# KiCad board corevus-g.kicad_pcb (continued)
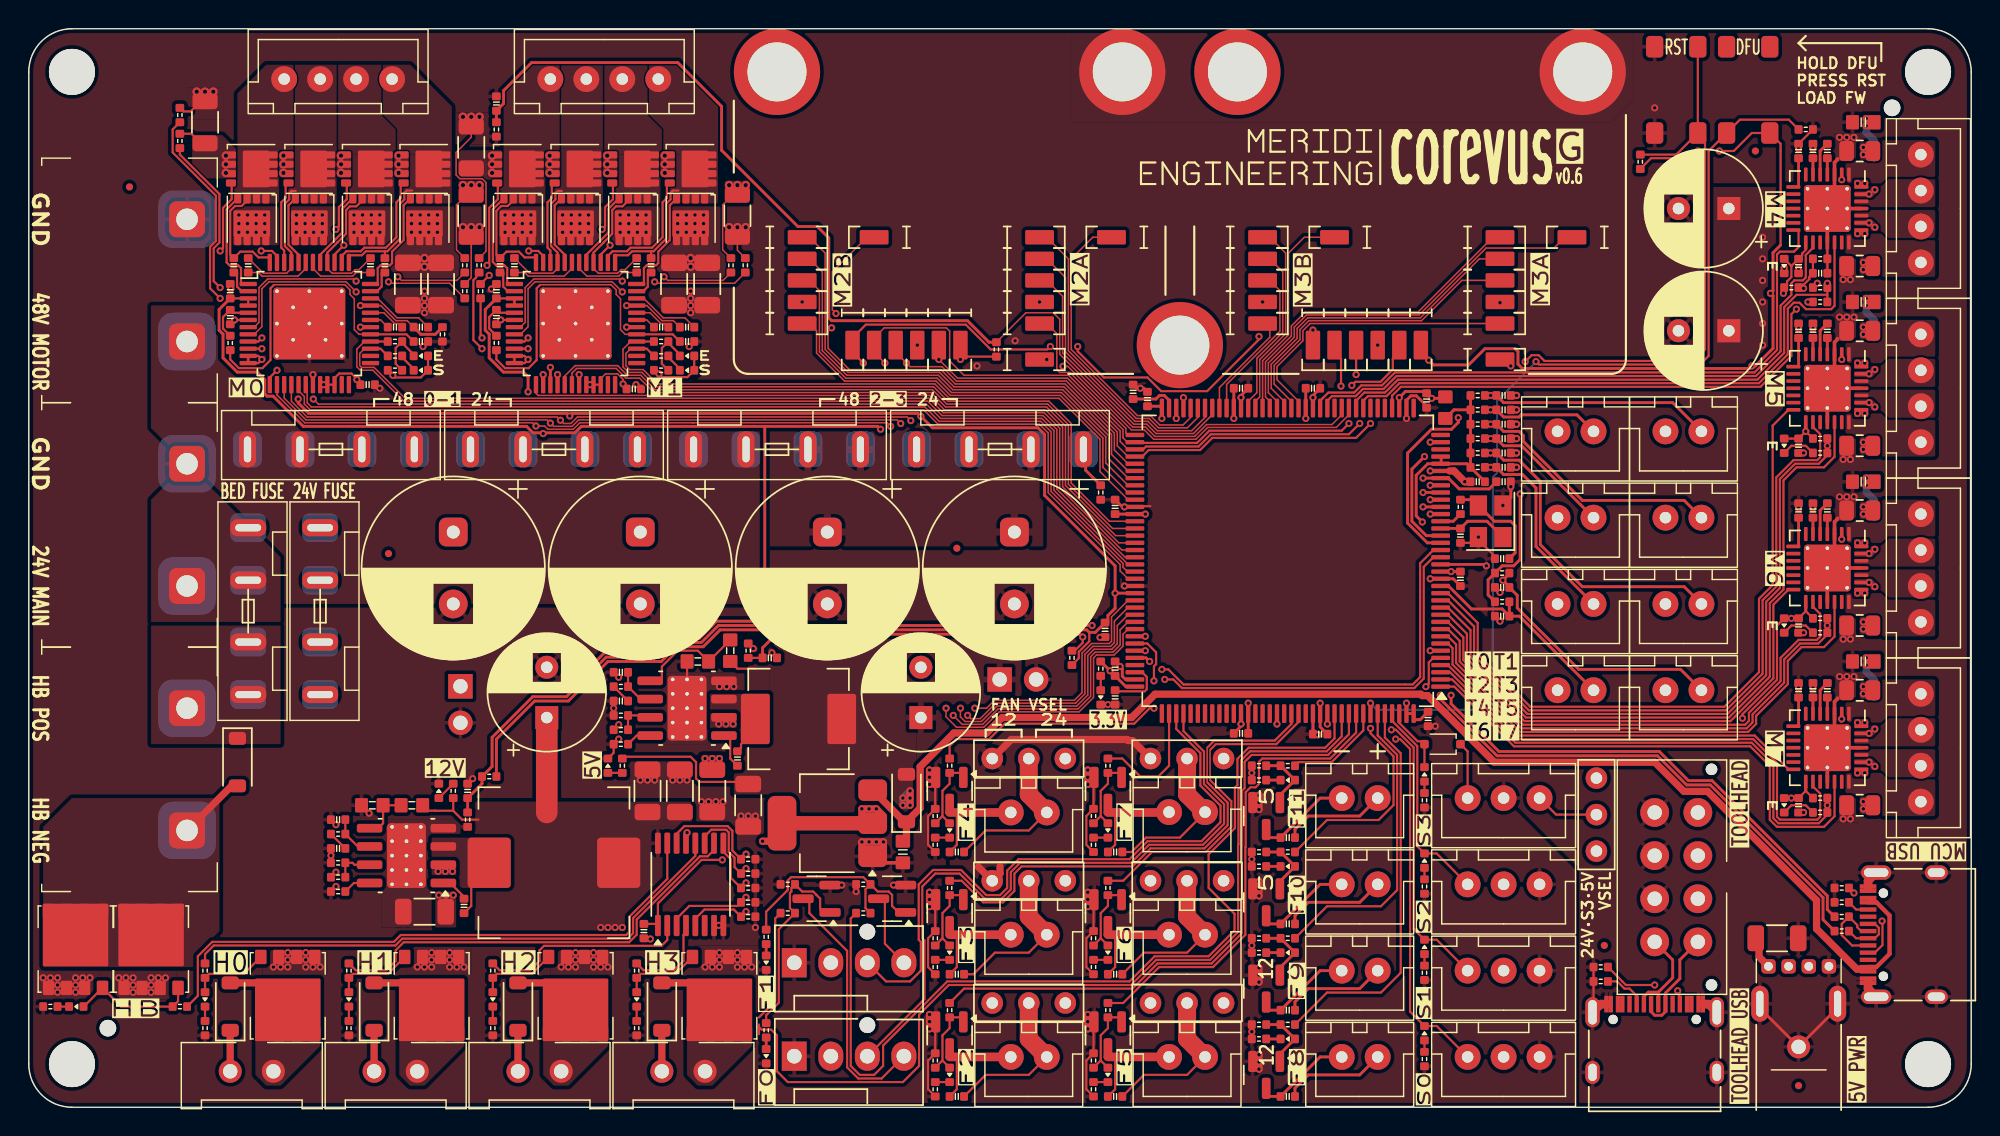
[diagram p0: board, top side]
## Routing (per net, layer and track width the routed paths; a pad name or vN(x,y) marks a point on that pad's centre or on a via; arc(x,y) is an arc through that point) (continued)
  Top w0.15: v1(21.35,61.05) 21.55,61.25 21.55,62.59 22.1,63.14 22.1,64.2 22.05,64.25 ; v1(21.9,59.95) 21.25,59.3 U12.39
  In2.Cu w0.15: v1(21.35,61.05) 21.35,60.5 v1(21.9,59.95)
/Motor 0 (TMC2160)/LA2: length 8.3
  Top w0.15: Q18.4 25.85,64.08 25.85,63.23 25.55,62.93 25.55,60.51 24.82,59.77 23.32,59.77 23.07,59.52 22.07,59.52 21.75,59.2
/Motor 0 (TMC2160)/LB1: length 9.6
  Top w0.15: U12.47 17.25,59.2 16.9,59.55 v1(16.15,59.55) ; 14.1,64.25 14.1,63.14 13.5,62.54 13.5,59.75 v1(13.3,59.55)
  In2.Cu w0.15: v1(13.3,59.55) v1(16.15,59.55)
/Motor 0 (TMC2160)/LB2: length 5.8
  Top w0.15: U12.46 17.75,59.58 17.55,59.78 17.55,62.93 17.85,63.23 17.85,64.08 Q16.4
/Motor 0 (TMC2160)/SRAH: length 19.3
  Top w0.1: R42.2 29.75,57.5 25.9,57.5 v1(25.65,57.75) ; v1(22.75,56.7) 22.05,57.4 16.68,57.4 16.2,56.92 16.2,54.28 15.67,53.75 U12.8
  In2.Cu w0.1: v1(22.75,56.7) 23,56.95 25.15,56.95 25.65,57.45 v1(25.65,57.75)
/Motor 0 (TMC2160)/SRAL: length 18.6
  Top w0.1: U12.7 15.67,54.25 16,54.58 16,57 16.6,57.6 22.6,57.6 v1(22.75,57.45) ; v1(25,57.4) 25.1,57.3 29.25,57.3 R46.2
  In2.Cu w0.1: v1(25,57.4) 24.8,57.2 23,57.2 v1(22.75,57.45)
/Motor 0 (TMC2160)/SRBH: length 16.9
  Top w0.15: R41.2 10.5,66.25 13.25,63.5 13.25,60.14 12.85,59.74 12.85,57.45 v1(13.3,57) ; v1(16.2,53.5) 15.95,53.25 U12.9
  In2.Cu w0.15: v1(16.2,53.5) 16.2,54.1 v1(13.3,57)
/Motor 0 (TMC2160)/SRBL: length 20
  Top w0.15: U12.10 v1(16.2,52.75) ; R45.2 10,68 10,66.4 13,63.4 13,60.24 12.6,59.84 12.6,56.95 v1(13.3,56.25)
  In2.Cu w0.15: v1(16.2,52.75) 15.75,53.2 15.75,54.2 13.7,56.25 v1(13.3,56.25)
/Motor 1 (TMC2160)/A1: length 9.7
  Top w0.1: C49.2 41.45,58.25 41.17,58.25 40.92,58 39.58,58 39.25,58.33 U11.40
  Top w0.15: U11.40 39.25,59.43 39.95,60.13 39.95,60.14 40.55,60.74 40.55,62.39 40.81,62.65 41.26,62.65 41.67,63.06 Q5.3
/Motor 1 (TMC2160)/A2: length 8.4
  Top w0.15: 43.25,59.52 43.42,59.52 44.3,60.4 44.3,62.83 44.6,63.13 44.6,63.58 44.77,63.75 45.15,63.75 ; 43.25,59.52 41.92,59.52 41.65,59.25 40.75,59.25 ; 43.25,59.52 C50.2
/Motor 1 (TMC2160)/B1: length 7.9
  Top w0.15: Q3.3 33.67,63.06 33.29,62.67 32.84,62.67 32.5,62.34 32.5,59.3 C47.2 33.2,59.5 34.06,59.5 34.46,59.1 35.25,59.1
/Motor 1 (TMC2160)/B2: length 9.6
  Top w0.1: U11.45 36.75,58.33 36.42,58 34.8,58 C48.2
  Top w0.15: U11.45 36.75,59.43 36.3,59.88 36.3,62.83 36.6,63.13 36.6,63.56 36.76,63.73 37.05,63.73
/Motor 1 (TMC2160)/HA1: length 5.4
  Top w0.15: U11.41 38.75,59.29 39.7,60.24 39.7,60.24 40.3,60.84 40.3,62.49 41.01,63.2 Q5.4
/Motor 1 (TMC2160)/HA2: length 7.3
  Top w0.15: 42.75,57.25 42.75,58.35 42.95,58.55 43.6,58.55 43.75,58.7 43.75,59.5 44.55,60.3 44.55,62.73 Q6.4
/Motor 1 (TMC2160)/HB1: length 7
  Top w0.15: 33.25,57.25 33.25,58.35 33.05,58.55 32.49,58.55 32.25,58.79 32.25,62.44 33.01,63.2 Q3.4
/Motor 1 (TMC2160)/HB2: length 4.9
  Top w0.15: U11.44 37.25,59.29 36.55,59.99 36.55,62.73 Q4.4
/Motor 1 (TMC2160)/LA1: length 6.3
  Top w0.15: v1(39.85,61.05) 40.05,61.25 40.05,62.59 40.6,63.14 40.6,64.2 40.55,64.25 ; U11.39 39.75,59.3 v1(40.4,59.95)
  In2.Cu w0.15: v1(40.4,59.95) 40.4,60.5 v1(39.85,61.05)
/Motor 1 (TMC2160)/LA2: length 8.3
  Top w0.15: Q10.4 44.35,64.08 44.35,63.23 44.05,62.93 44.05,60.51 43.32,59.77 41.82,59.77 41.57,59.52 40.57,59.52 40.25,59.2
/Motor 1 (TMC2160)/LB1: length 10.9
  Top w0.15: v1(34.75,59.55) 35.4,59.55 35.75,59.2 U11.47 ; v1(31.85,58.55) 32,58.7 32,62.54 32.6,63.14 32.6,64.25
  In2.Cu w0.15: v1(31.85,58.55) 32.85,59.55 v1(34.75,59.55)
/Motor 1 (TMC2160)/LB2: length 5.8
  Top w0.15: Q8.4 36.35,64.08 36.35,63.23 36.05,62.93 36.05,59.78 36.25,59.58 U11.46
/Motor 1 (TMC2160)/SRAH: length 19.3
  Top w0.1: R34.2 48.25,57.5 44.4,57.5 v1(44.15,57.75) ; U11.8 34.17,53.75 34.7,54.28 34.7,56.92 35.18,57.4 40.55,57.4 v1(41.25,56.7)
  In2.Cu w0.1: v1(44.15,57.75) 44.15,57.45 43.65,56.95 41.5,56.95 v1(41.25,56.7)
/Motor 1 (TMC2160)/SRAL: length 19.5
  Top w0.1: U11.7 34.17,54.25 34.5,54.58 34.5,57 35.1,57.6 41.1,57.6 v1(41.25,57.45) ; v1(43.5,57.4) 43.6,57.3 49.05,57.3 R38.2
  In2.Cu w0.1: v1(41.25,57.45) 41.5,57.2 43.3,57.2 v1(43.5,57.4)
/Motor 1 (TMC2160)/SRBH: length 7.2
  Top w0.15: U11.9 34.45,53.25 v1(34.7,53.5) ; v1(31.5,53.5) 31.4,53.6 R33.2
  In2.Cu w0.15: v1(34.7,53.5) 34.5,53.3 31.7,53.3 v1(31.5,53.5)
/Motor 1 (TMC2160)/SRBL: length 9.8
  Top w0.15: 31.1,57.95 31.1,57.71 30.9,57.51 30.9,53.35 v1(31.5,52.75) ; U11.10 v1(34.7,52.75)
  In2.Cu w0.15: v1(34.7,52.75) 34.5,52.95 31.7,52.95 v1(31.5,52.75)
/Motor 4 (TMC2209)/BRA:
  vias: v1(127.5,58.75) v1(127.5,58.25) v1(127.9,61.5) v1(128.3,61.2)
/Motor 4 (TMC2209)/BRB: length 0.5
  Top w0.2: U6.27 v1(127.9,63.5)
  vias: v1(127.5,66.75) v1(127.5,66.25) v1(128.3,63.8)
/Motor 5 (TMC2209)/BRA:
  vias: v1(127.5,46.25) v1(127.5,45.75) v1(127.9,49) v1(128.3,48.7)
/Motor 5 (TMC2209)/BRB: length 0.5
  Top w0.2: U7.27 v1(127.9,51)
  vias: v1(127.5,54.25) v1(127.5,53.75) v1(128.3,51.3)
/Motor 6 (TMC2209)/BRA:
  vias: v1(127.5,33.75) v1(127.5,33.25) v1(127.9,36.5) v1(128.3,36.2)
/Motor 6 (TMC2209)/BRB: length 0.5
  Top w0.2: U8.27 v1(127.9,38.5)
  vias: v1(127.5,41.75) v1(127.5,41.25) v1(128.3,38.8)
/Motor 7 (TMC2209)/BRA:
  vias: v1(127.5,21.25) v1(127.5,20.75) v1(127.9,24) v1(128.3,23.7)
/Motor 7 (TMC2209)/BRB: length 0.5
  Top w0.2: U9.27 v1(127.9,26)
  vias: v1(127.5,29.25) v1(127.5,28.75) v1(128.3,26.3)
/S0: length 34.3
  Top w0.15: J24.1 97.85,5.65 D18.1 96,6.65 96,24.91 95.31,25.6 v1(95,25.6) ; U1.125 v1(86.75,26.65)
  In2.Cu w0.15: v1(95,25.6) 90.6,25.6 89.55,26.65 v1(86.75,26.65)
/S1: length 25.3
  Top w0.15: J25.1 97.85,11.65 D25.1 96.25,12.4 96.25,25.02 95.02,26.25 v1(94.7,26.25) ; U1.132 v1(90.25,26.65)
  In2.Cu w0.15: v1(90.25,26.65) 91.05,25.85 94.3,25.85 v1(94.7,26.25)
/S2: length 14.5
  Top w0.15: U1.141 94.75,26.87 96.5,25.12 96.5,18.15 D26.1 97.85,17.65 J26.1
/S3: length 4.6
  Top w0.15: U1.142 95.25,26.72 96.52,25.45 96.8,25.45 D28.2 D27.1
/SPI2_MISO: length 95.2
  Top w0.1: U12.16 18.25,49.1 19.35,48 36.73,48 v1(36.95,47.77) 37.17,47.55 37.68,47.55 38.13,48 61.05,48 v1(61.3,47.75) ; T5.1 v1(63.25,52) 64.55,50.7 72.19,50.7 75.85,47.04 75.85,46.3 76.4,45.75 U1.75
  Top w0.15: v1(92.5,47.55) 91.75,46.8 82.15,46.8 81.3,45.95 77.65,45.95 77.45,45.75 U1.75 ; v1(91.95,50.2) 92.2,50.45 93.95,50.45 94.8,51.3 94.8,52.05 T21.1
  Top w0.2: v1(36.75,50.95) U11.16
  In2.Cu w0.15: v1(92.5,47.55) 91.95,48.1 v1(91.95,50.2)
  In2.Cu w0.2: v1(36.75,50.95) 36.75,47.98 v1(36.95,47.77)
  In2.Cu w0.25: v1(63.25,52) 61.3,50.05 v1(61.3,47.75)
/SPI2_MOSI: length 97.4
  Top w0.1: v1(60.6,47.55) 60.35,47.8 38.21,47.8 37.76,47.35 36.48,47.35 v1(36.25,47.58) 36.02,47.8 19.27,47.8 17.75,49.32 U12.15 ; U1.76 76.4,45.25 75.65,46 75.65,46.95 72.1,50.5 64.47,50.5 63.47,51.5 61.25,51.5 v1(61,51.75) T4.1
  Top w0.15: U1.76 77.38,45.25 77.83,45.7 81.41,45.7 82.26,46.55 92.25,46.55 v1(93.25,47.55) ; 92.1,50.85 92.15,50.85 v1(92.25,50.95) T20.1
  Top w0.2: v1(36.25,51.45) U11.15
  In2.Cu w0.15: v1(93.25,47.55) 92.55,48.25 92.55,50.65 v1(92.25,50.95)
  In2.Cu w0.2: v1(36.25,47.58) v1(36.25,51.45)
  In2.Cu w0.25: v1(61,51.75) 60.6,51.35 v1(60.6,47.55)
/SPI2_SCK: length 100.2
  Top w0.1: U12.14 17.25,49.53 19.18,47.6 35.02,47.6 v1(35.25,47.38) 35.85,47.38 36.07,47.15 37.85,47.15 38.3,47.6 46.15,47.6 ; v1(59.5,51.75) T2.1 58.75,53.5 59.45,54.2 63.78,54.2 64,53.98 64,51.9 65,50.9 72.27,50.9 76.05,47.12 76.05,46.55 76.35,46.25 U1.74 ; 46.15,47.6 46.2,47.6 ; 46.15,47.6 59.65,47.6 v1(59.9,47.35)
  Top w0.15: T18.1 91.2,52.05 v1(91.2,50.15) ; U1.74 76.92,46.2 81.2,46.2 82.05,47.05 91.25,47.05 v1(91.75,47.55)
  Top w0.2: v1(35.75,50.95) U11.14
  In2.Cu w0.15: v1(91.75,47.55) 90.8,48.5 90.8,49.75 v1(91.2,50.15)
  In2.Cu w0.2: v1(35.75,50.95) 35.25,50.45 v1(35.25,47.38)
  In2.Cu w0.25: v1(59.9,47.35) 59.9,51.35 v1(59.5,51.75)
/T0: length 21.5
  Top w0.2: U1.22 97.13,39.75 96.12,40.75 96.12,44.38 v1(97,45.25) ; R51.1 v1(101.6,48.5) C77.2 102.5,48 103.57,48 103.72,48.15 107.6,48.15 J11.2
  In2.Cu w0.2: v1(101.6,48.5) 101.02,48.5 97.77,45.25 v1(97,45.25)
/T1: length 22.4
  Top w0.2: R18.1 v1(101.6,49.5) C9.2 102.5,49 114.25,49 J10.2 ; U1.35 v1(97.4,46.25)
  In2.Cu w0.2: v1(97.4,46.25) 98.35,46.25 v1(101.6,49.5)
/T2: length 18.2
  Top w0.2: U1.28 v1(96.9,42.75) ; J9.2 103.75,46 102.5,46 C8.2 v1(101.6,46.5) R17.1
  In2.Cu w0.2: v1(96.9,42.75) 97.57,42.75 98.17,43.35 98.17,44.8 99.87,46.5 v1(101.6,46.5)
/T3: length 25.4
  Top w0.2: J12.2 115.05,42.2 107.97,42.2 103.87,46.3 103.87,46.7 103.57,47 102.5,47 C78.2 v1(101.6,47.5) R56.1 ; U1.29 v1(97.4,43.25)
  In2.Cu w0.2: v1(97.4,43.25) 97.88,43.73 97.88,44.93 100.45,47.5 v1(101.6,47.5)
/T4: length 21.3
  Top w0.2: U1.26 v1(96.9,41.75) ; R15.1 v1(101.6,44.5) C6.2 102.5,44 103.82,44 104.75,43.07 104.75,39 J8.2
  In2.Cu w0.2: v1(101.6,44.5) 99.7,44.5 98.78,43.57 98.78,42.95 97.57,41.75 v1(96.9,41.75)
/T5: length 29.1
  Top w0.2: R16.1 v1(101.6,45.5) C7.2 102.5,45 103.57,45 105.05,43.52 105.05,39.12 107.97,36.2 115.05,36.2 J7.2 ; U1.27 v1(97.4,42.25)
  In2.Cu w0.2: v1(97.4,42.25) 97.5,42.25 98.47,43.23 98.47,44.68 99.3,45.5 v1(101.6,45.5)
/T6: length 14.6
  Top w0.2: C72.2 103.6,34.15 J23.2 ; C72.2 R2.1 ; C72.2 102.4,34.65 100.27,34.65 98.67,36.25 U1.15
/T7: length 23
  Top w0.2: J39.2 114.8,30.45 107.72,30.45 103.45,34.72 103.45,35.6 C73.2 102.9,36.2 v1(102.45,36.65) 102.9,37.1 R12.1 ; U1.18 101.2,37.75 v1(101.3,37.65)
  In2.Cu w0.2: v1(101.3,37.65) 101.45,37.65 v1(102.45,36.65)
/TH_USB_D+: length 7.5
  Top w0.2: J13.A6 112.75,6.64 113,6.39 113.5,6.39 113.75,6.65 J13.B6 113.75,7.94 114.75,8.94 114.75,10.25 J28.5
/TH_USB_D-: length 6.9
  Top w0.2: 113.25,8 114.25,9 114.25,10.25 J28.1 ; 113.25,8 J13.A7 ; 113.25,8 112.56,8 112.25,7.69 J13.B7
/USB_D+: length 58.4
  Top w0.2: v1(77.9,31) 77.65,31.25 U1.104 ; v1(98.1,28.65) 98.1,28.39 102.05,24.44 113.2,24.44 115.22,22.41 116.86,22.41 124.7,14.58 124.7,13.05 R5.1
  In2.Cu w0.2: v1(98.1,28.65) 98.1,29.08 95.51,31.67 78.58,31.67 v1(77.9,31)
/USB_D-: length 57.7
  Top w0.2: U1.103 v1(77.6,31.75) ; v1(98.85,28.65) 98.85,28.06 102.17,24.74 113.32,24.74 115.35,22.71 116.99,22.71 125,14.7 125,13.75 R4.1
  In2.Cu w0.2: v1(98.85,28.65) 98.85,28.97 95.69,32.12 77.97,32.12 v1(77.6,31.75)
/USB_VBUS: length 92.4
  Top w0.3: J1.B9 128.41,9.75 129.32,10.67 129.32,13.33 128.41,14.25 J1.B4
  Top w0.5: C101.1 61,18.75 D29.1 ; D29.1 60.85,19.85 U5.3 ; D29.1 61.95,20.8 61.95,23.68 64.29,26.02 66.58,26.02 67.65,27.1 76.65,27.1 78.28,28.73 96.74,28.73 96.84,28.62 97.22,28.62 101.86,23.99 113.01,23.99 115.04,21.96 116.67,21.96 124.25,14.39 124.25,12.41 127.06,9.6 127.85,9.6
/~{Reset}: length 54.8
  Top w0.15: v1(104,51.85) 104.45,52.3 104.94,52.3 105.34,51.9 115.69,51.9 116.5,52.71 116.5,67.25 SW3.2 ; SW3.2 114.5,66.25 R19.2 ; SW3.2 SW3.2 ; 97.3,41.15 v1(97.4,41.25)
  Top w0.2: U1.25 v1(97.4,41.25)
  In2.Cu w0.15: 102.9,49.7 102.9,50.75 v1(104,51.85)
  In2.Cu w0.2: 102.9,49.7 102.9,44.7 102.22,44.02 99.65,44.02 99.1,43.47 99.1,42.85 97.5,41.25 v1(97.4,41.25)
VMB: length 11.1
  Top w0.1: U12.33 24.46,55.75 25.51,54.7 26.3,54.7 C54.2 ; U11.33 42.96,55.75 44.01,54.7 44.8,54.7 C39.2
  Top w0.15: U12.33 v1(23.05,55.75) ; U11.33 v1(41.55,55.75)
  Top w0.2: C54.2 27.25,53.75 28.25,53.75 R9.1
  vias: v1(14.6,62.05) v1(14.6,61.45) v1(14.6,60.85) v1(15.2,62.05) v1(15.2,61.45) v1(15.2,60.85) v1(15.8,62.05) v1(15.8,61.45) v1(15.8,60.85) v1(16.4,62.05) v1(16.4,61.45) v1(16.4,60.85) v1(18.6,62.05) v1(18.6,61.45) v1(18.6,60.85) v1(19.2,62.05) v1(19.2,61.45) v1(19.2,60.85) v1(19.8,62.05) v1(19.8,61.45) v1(19.8,60.85) v1(20.4,62.05) v1(20.4,61.45) v1(20.4,60.85) v1(22.6,62.05) v1(22.6,61.45) v1(22.6,60.85) v1(23.2,62.05) v1(23.2,61.45) v1(23.2,60.85) v1(23.8,62.05) v1(23.8,61.45) v1(23.8,60.85) v1(24.4,62.05) v1(24.4,61.45) v1(24.4,60.85) v1(26.6,62.05) v1(26.6,61.45) v1(26.6,60.85) v1(27.2,62.05) v1(27.2,61.45) v1(27.2,60.85) v1(27.8,62.05) v1(27.8,61.45) v1(27.8,60.85) v1(28.4,62.05) v1(28.4,61.45) v1(28.4,60.85) v1(33.1,62.05) v1(33.1,61.45) v1(33.1,60.85) v1(33.7,62.05) v1(33.7,61.45) v1(33.7,60.85) v1(34.3,62.05) v1(34.3,61.45) v1(34.3,60.85) v1(34.9,62.05) v1(34.9,61.45) v1(34.9,60.85) v1(37.1,62.05) v1(37.1,61.45) v1(37.1,60.85) v1(37.7,62.05) v1(37.7,61.45) v1(37.7,60.85) v1(38.3,62.05) v1(38.3,61.45) v1(38.3,60.85) v1(38.9,62.05) v1(38.9,61.45) v1(38.9,60.85) v1(41.1,62.05) v1(41.1,61.45) v1(41.1,60.85) v1(41.7,62.05) v1(41.7,61.45) v1(41.7,60.85) v1(42.3,62.05) v1(42.3,61.45) v1(42.3,60.85) v1(42.9,62.05) v1(42.9,61.45) v1(42.9,60.85) v1(45.1,62.05) v1(45.1,61.45) v1(45.1,60.85) v1(45.7,62.05) v1(45.7,61.45) v1(45.7,60.85) v1(46.3,62.05) v1(46.3,61.45) v1(46.3,60.85) v1(46.9,62.05) v1(46.9,61.45) v1(46.9,60.85) v2(27.5,59.05) v2(27.5,58.45) v2(46,59.05) v2(46,58.45)
VMC: length 3
  Top w0.2: F2.2 73.3,45.1 73.45,44.95 73.45,44.3 R8.1
Net-(C2-Pad2): length 7
  Top w0.2: R3.1 100.35,42.25 Y1.3 101.85,40.75 102.99,40.75 103.3,40.44 103.3,38.55 C2.2
Net-(C97-Pad1): length 1.4
  Top w0.15: R104.2 C97.1
Net-(C99-Pad1): length 1.4
  Top w0.15: R112.2 C99.1
Net-(D1-A): length 5.4
  Top w0.15: 64.75,23.25 R59.2 64,22.5 63.5,22 63.5,20.25 ; R79.1 63.5,20.25 ; 63.5,20.25 D1.2
Net-(D1-K): length 1
  Top w0.15: D1.1 R126.1
Net-(D2-A): length 5.4
  Top w0.15: D2.2 63.5,3.25 ; 63.5,3.25 63.5,5 64,5.5 R31.2 64.75,6.25 ; 63.5,3.25 R49.1
Net-(D2-K): length 1
  Top w0.15: D2.1 R54.1
Net-(D3-A): length 5.4
  Top w0.15: D3.2 63.5,11.75 ; 63.5,11.75 R50.1 ; 63.5,11.75 63.5,13.5 64,14 R39.2 64.75,14.75
Net-(D3-K): length 1
  Top w0.15: D3.1 R55.1
Net-(D4-K): length 1.3
  Top w0.15: D4.1 45.25,51.35 44.45,52.15 R118.1
Net-(D5-A): length 5.4
  Top w0.15: D5.2 74.5,3.25 ; 74.5,3.25 R52.1 ; 74.5,3.25 74.5,5 75,5.5 R47.2 75.75,6.25
Net-(D5-K): length 1
  Top w0.15: D5.1 R57.1
Net-(D6-A): length 0.8
  Top w0.2: R58.1 D6.2
Net-(D7-A): length 5.4
  Top w0.15: D7.2 74.5,20.25 ; 74.5,20.25 74.5,22 75,22.5 R76.2 75.75,23.25 ; 74.5,20.25 R82.1
Net-(D7-K): length 1
  Top w0.15: D7.1 R127.1
Net-(D8-A): length 0.8
  Top w0.2: D8.2 R69.2
Net-(D9-A): length 5.4
  Top w0.15: D9.2 74.5,11.75 ; 74.5,11.75 R65.1 ; 74.5,11.75 74.5,13.5 75,14 R61.2 75.75,14.75
Net-(D9-K): length 1
  Top w0.15: D9.1 R71.1
Net-(D10-A): length 3.8
  Top w0.2: R66.1 R62.2 D10.2 87,3.75
Net-(D10-K): length 1
  Top w0.2: R72.1 D10.1
Net-(D11-A): length 3.8
  Top w0.2: 87,9.75 D11.2 R63.2 R67.1
Net-(D11-K): length 1
  Top w0.2: R73.1 D11.1
Net-(D12-A): length 8.7
  Top w0.15: D12.2 3.82,7 Q26.4 6.42,7 R68.2 10.38,7.37 Q25.4
Net-(D12-K): length 0.8
  Top w0.15: D12.1 R70.2
Net-(D13-K): length 1.3
  Top w0.15: R119.1 25.95,52.15 26.75,51.35 D13.1
Net-(D15-A): length 3.8
  Top w0.2: R77.1 R74.2 D15.2 87,15.75
Net-(D15-K): length 1
  Top w0.2: D15.1 R80.1
Net-(D16-A): length 3.8
  Top w0.2: R78.1 R75.2 D16.2 87,21.75
Net-(D16-K): length 1
  Top w0.2: D16.1 R81.1
Net-(D17-A): length 1.4
  Top w0.15: R128.1 D17.2
Net-(D18-A): length 0.8
  Top w0.15: D18.2 R84.1
Net-(D19-K): length 3.7
  Top w0.15: R106.2 44,51.7 44,52.8 R98.1 44.45,53.15 45.25,52.35 D19.1
Net-(D20-K): length 3.7
  Top w0.15: D20.1 26.75,52.35 25.95,53.15 R99.1 25.5,52.8 25.5,51.7 R107.2
Net-(D21-K): length 3.5
  Top w0.15: D21.1 v1(122,58.35) ; v1(124.3,57.3) R22.1
  In2.Cu w0.15: v1(124.3,57.3) 123.7,57.9 122.45,57.9 v1(122,58.35)
Net-(D22-K): length 2.4
  Top w0.15: D22.1 122.5,46 123.5,46 R24.1
Net-(D23-K): length 2.4
  Top w0.15: R29.1 123.5,33.5 122.5,33.5 D23.1
Net-(D24-K): length 2.4
  Top w0.15: D24.1 122.5,21 123.5,21 R102.1
Net-(D25-A): length 0.8
  Top w0.15: R85.1 D25.2
Net-(D26-A): length 0.8
  Top w0.15: R86.1 D26.2
Net-(D27-A): length 0.8
  Top w0.15: R83.1 D27.2
Net-(D28-K): length 4
  Top w0.15: D28.1 100,24.75 J27.1
Net-(D30-A): length 1
  Top w0.15: R108.1 D30.2
Net-(D31-A): length 5.5
  Top w0.15: D31.2 R120.2 22.52,9.28 24.95,9.28 Q31.4
Net-(D31-K): length 1
  Top w0.15: D31.1 R113.1
Net-(D32-A): length 1
  Top w0.15: R129.1 D32.2
Net-(D33-A): length 5.5
  Top w0.15: Q33.4 14.95,9.28 12.53,9.28 R122.2 D33.2
Net-(D33-K): length 1
  Top w0.15: D33.1 R115.1
Net-(D34-A): length 5.5
  Top w0.15: D34.2 R123.2 32.52,9.28 34.95,9.28 Q34.4
Net-(D34-K): length 1
  Top w0.15: D34.1 R116.1
Net-(D35-A): length 5.5
  Top w0.15: D35.2 R124.2 42.52,9.28 44.95,9.28 Q35.4
Net-(D35-K): length 1
  Top w0.15: D35.1 R117.1
Net-(D36-A): length 4.8
  Top w0.5: D36.2 26.12,8.65 Q31.8
Net-(D38-A): length 4.8
  Top w0.5: Q33.8 16.12,8.65 D38.2
Net-(D39-A): length 4.8
  Top w0.5: D39.2 36.12,8.65 Q34.8
Net-(D40-A): length 4.8
  Top w0.5: D40.2 46.12,8.65 Q35.8
Net-(J1-CC1): length 6.2
  Top w0.15: v1(128.8,12.95) 128.83,12.92 128.83,11.28 128.3,10.75 J1.A5 ; R6.2 v1(126.85,14.9)
  In2.Cu w0.15: v1(128.8,12.95) v1(126.85,14.9)
Net-(J1-CC2): length 1.5
  Top w0.15: R7.2 127,13.75 J1.B5
Net-(J1-D+-PadA6): length 3.7
  Top w0.15: R5.2 127,11.75 J1.A6 128.3,11.75 128.58,12.03 128.58,12.47 128.3,12.75 J1.B6
Net-(J1-D--PadA7): length 5.4
  Top w0.15: J1.A7 127.35,12.25 127.08,12.52 127.08,12.67 R4.2 126,12.75 126,11.97 126.72,11.25 J1.B7
Net-(J2-Pin_1): length 7.2
  Top w0.15: C10.1 64.5,1.25 64.5,3.5
  Top w0.6: J2.1 64,3.5
Net-(J4-Pin_1): length 7.2
  Top w0.15: C11.1 64.5,9.75 64.5,12
  Top w0.6: J4.1 64,12
Net-(J5-Pin_1): length 7.2
  Top w0.15: C76.1 75.5,1.25 75.5,3.5
  Top w0.6: J5.1 75,3.5
Net-(J6-Pin_4): length 17.7
  Top w0.15: 54.25,14.5 54.25,13.5 56.88,10.88 56.88,2.77 57.65,2 59.27,2 J6.4
Net-(J13-CC1): length 3
  Top w0.15: J13.A5 111.75,7.75 111.25,8.25 110.9,8.25 110.4,8.75 R121.1
Net-(J13-CC2): length 6.5
  Top w0.15: v1(114.6,8.1) 114.7,8 114.7,7.22 J13.B5 ; R125.1 111,8.5 v1(113,8.5)
  In2.Cu w0.15: v1(114.6,8.1) 113.4,8.1 v1(113,8.5)
Net-(J14-Pin_4): length 5
  Top w0.15: J14.4 59.5,11.37 59.5,14.5
Net-(J15-Pin_1): length 7.2
  Top w0.15: 75.5,12 75.5,9.75 C89.1
  Top w0.6: J15.1 75,12
Net-(J16-Pin_1): length 6.4
  Top w0.2: 86,0.75 C90.1 89.75,3.5 J16.1
Net-(J17-Pin_1): length 6.4
  Top w0.2: 86,6.75 C91.1 89.75,9.5 J17.1
Net-(J21-Pin_1): length 6.4
  Top w0.2: 86,12.75 C92.1 89.75,15.5 J21.1
Net-(J22-Pin_1): length 6.4
  Top w0.2: J22.1 89.75,21.5 C93.1 86,18.75
Net-(J27-Pin_3): length 4.4
  Top w0.15: J27.3 106.15,20.35 J38.2
Net-(J37-Pin_1): length 7.2
  Top w0.15: C74.1 64.5,18.25 64.5,20.5
  Top w0.6: J37.1 64,20.5
Net-(J40-Pin_1): length 7.2
  Top w0.15: 75.5,20.5 75.5,18.25 C75.1
  Top w0.6: 79.25,20.5 75,20.5
Net-(NT3-Pad1): length 10.8
  Top w0.1: R37.1 31.77,59.52 31.77,64.31 31.51,64.58 29.96,64.58 29.7,64.83 29.7,66.4 NT3.1
Net-(NT4-Pad2): length 1
  Top w0.1: R38.1 49.25,59.6 NT4.2
Net-(NT5-Pad1): length 0.9
  Top w0.15: R45.1 10.75,69.25 NT5.1
Net-(NT6-Pad2): length 2.7
  Top w0.1: NT6.2 30.75,57.7 R46.1
Net-(Q7-S-Pad1): length 8.6
  Top w0.15: R33.1 v1(32,57.85)
  In2.Cu w0.15: v2(32.2,64.97) 32.2,59.83 31.4,59.02 31.4,58.36 31.91,57.85 v1(32,57.85)
  vias: v2(32.2,66.17) v2(32.2,65.58) v2(36.2,66.17) v2(36.2,65.58) v2(36.2,64.97)
Net-(Q10-S-Pad1): length 5.3
  Top w0.1: R34.1 48.23,59.62 48.23,62.75 48.94,63.46 R36.1
  vias: v2(40.2,66.17) v2(40.2,65.58) v2(40.2,64.97) v2(44.2,66.17) v2(44.2,65.58) v2(44.2,64.97) v2(48.67,64.12) v2(49.25,64.12) v2(49.83,64.12)
Net-(Q15-S-Pad1): length 1.2
  Top w0.15: R41.1 11.3,67.7 11.6,67.4
  vias: v2(13.7,66.17) v2(13.7,65.58) v2(13.7,64.97) v2(17.7,66.17) v2(17.7,65.58) v2(17.7,64.97)
Net-(Q17-S-Pad1): length 5.3
  Top w0.1: R44.1 30.44,63.46 29.73,62.75 29.73,59.62 R42.1
  vias: v2(21.7,66.17) v2(21.7,65.58) v2(21.7,64.97) v2(25.7,66.17) v2(25.7,65.58) v2(25.7,64.97) v2(30.18,64.12) v2(30.75,64.12) v2(31.32,64.12)
Net-(Q20-G): length 13.7
  Top w0.15: 55,13.75 55,14.51 54.73,14.78 54.73,14.79 54.51,15 53.75,15 R53.1 53,15.25 53,15 52.9,14.9 52.9,13.85 R48.2 52.12,12.38 52.12,7.27 51.25,6.4 R58.2
Net-(Q21-G): length 15.3
  Top w0.15: R69.1 51.25,13.6 52.75,15.1 52.75,15.77 52.98,16 58,16 R64.1 ; R64.1 58.15,15.15 58.15,13.85 R60.2 ; R64.1 59,15 59.76,15 60,14.76 60,14 60.25,13.75
Net-(U1-PH0): length 5
  Top w0.2: Y1.1 101.35,40.75 100,40.75 C1.2 U1.23
Net-(U1-PH1): length 1.6
  Top w0.2: U1.24 99,40.75 R3.2
Net-(U1-VCAP_1): length 3.3
  Top w0.2: U1.71 79.25,49.16 78.91,49.5 78.59,49.5 78.34,49.25 C4.1
Net-(U1-VCAP_2): length 4.1
  Top w0.15: C3.2 75.57,28.92 77.56,28.92 77.7,29.07 77.7,29.93 77.38,30.25 U1.106
Net-(U3-BOOT): length 2
  Top w0.15: C38.1 30.25,14.64 29.29,15.59 U3.1
Net-(U3-COMP): length 3
  Top w0.15: U3.6 22.86,18.13 R104.1 C88.1
Net-(U3-EN): length 2.7
  Top w0.15: U3.7 22.64,16.87 22.5,17 R95.1 R94.2
Net-(U3-PH): length 2.2
  Top w0.15: 30.75,15.5 30.75,14 C38.2
Net-(U3-RT): length 1.9
  Top w0.15: U3.8 22.59,15.59 R96.1
Net-(U3-VSENSE): length 3.6
  Top w0.15: R92.1 R93.2 24.62,19.75 24.28,19.41 U3.5
Net-(U4-BOOT): length 2.2
  Top w0.15: 48.75,25.75 48.75,24.25 C80.1 ; 49.02,25.73 49,25.75
Net-(U4-COMP): length 2.9
  Top w0.15: U4.6 42.51,28.38 R112.1 C98.1
Net-(U4-EN): length 2.6
  Top w0.15: U4.7 43.05,27.25 R109.1 R110.2
Net-(U4-PH): length 2.8
  Top w0.15: L2.1 50.5,26.25 49.5,25.25 49.5,25 C80.2
Net-(U4-RT): length 1.8
  Top w0.15: R111.1 42.24,25.84 U4.8
Net-(U4-VSENSE): length 7.1
  Top w0.15: R90.1 R91.2 46.5,31.75 45.1,31.75 44,30.65 44,29.65
Net-(U6-5VOUT): length 2
  Top w0.2: C19.2 123,64
Net-(U6-CPI): length 2.3
  Top w0.2: U6.5 124.5,66.5 C21.2
Net-(U6-CPO): length 1.1
  Top w0.2: U6.4 C21.1
Net-(U6-VCP): length 1.1
  Top w0.2: U6.6 C20.1
Net-(U7-5VOUT): length 2
  Top w0.2: C24.2 123,51.5
Net-(U7-CPI): length 2.3
  Top w0.2: U7.5 124.5,54 C26.2
Net-(U7-CPO): length 1.1
  Top w0.2: U7.4 C26.1
Net-(U7-VCP): length 1.1
  Top w0.2: U7.6 C25.1
Net-(U8-5VOUT): length 2
  Top w0.2: C29.2 123,39
Net-(U8-CPI): length 2.3
  Top w0.2: C31.2 124.5,41.5 U8.5
Net-(U8-CPO): length 1.1
  Top w0.2: U8.4 C31.1
Net-(U8-VCP): length 1.1
  Top w0.2: U8.6 C30.1
Net-(U9-5VOUT): length 2
  Top w0.2: C34.2 123,26.5
Net-(U9-CPI): length 2.3
  Top w0.2: U9.5 124.5,29 C36.2
Net-(U9-CPO): length 1.1
  Top w0.2: U9.4 C36.1
Net-(U9-VCP): length 1.1
  Top w0.2: U9.6 C35.1
Net-(U11-5VOUT): length 3.5
  Top w0.15: R32.1 32,54.15 32,54.95 C42.2 32.7,55.25 U11.5
Net-(U11-CA1): length 4.7
  Top w0.1: U11.42 38.25,58.33 38.78,57.8 41.01,57.8 41.26,58.05 C49.1
Net-(U11-CA2): length 1.8
  Top w0.15: 43.02,58 43.02,57.07 42.7,56.75 U11.35
Net-(U11-CB1): length 1.9
  Top w0.15: U11.2 33.3,56.75 32.98,57.07 32.98,58.05
Net-(U11-CB2): length 4.7
  Top w0.1: C48.1 34.47,58.05 34.72,57.8 37.22,57.8 37.75,58.33 U11.43
Net-(U11-CPI): length 2.6
  Top w0.1: U11.32 43.18,55.25 43.93,54.5 44.2,54.5 C40.2
Net-(U11-CPO): length 1.4
  Top w0.1: C40.1 42.95,54.75 U11.31
Net-(U11-VCC): length 22.1
  Top w0.1: 35.52,57.17 35.55,57.2 40.47,57.2 40.83,56.84 40.83,56.52 41.12,56.22 41.12,54.07 41.45,53.75 U11.29
  Top w0.15: 35.52,57.17 35.3,56.95 35.3,51.96 34.74,51.4 33.1,51.4 32.5,52 R32.2 ; U11.29 44.75,53.75 C43.2
Net-(U11-VCP): length 4.8
  Top w0.1: C39.1 45.6,54.9 44.09,54.9 42.74,56.25 U11.34
Net-(U12-5VOUT): length 3.5
  Top w0.15: U12.5 14.2,55.25 C57.2 13.5,54.95 13.5,54.15 R40.1
Net-(U12-CA1): length 4.7
  Top w0.1: C64.1 22.76,58.05 22.51,57.8 20.28,57.8 19.75,58.33 U12.42
Net-(U12-CA2): length 1.8
  Top w0.15: 24.52,58 24.52,57.07 24.2,56.75 U12.35
Net-(U12-CB1): length 1.9
  Top w0.15: U12.2 14.8,56.75 14.47,57.07 14.47,58.05
Net-(U12-CB2): length 4.7
  Top w0.1: C63.1 15.97,58.05 16.22,57.8 18.72,57.8 19.25,58.33 U12.43
Net-(U12-CPI): length 2.6
  Top w0.1: U12.32 24.68,55.25 25.43,54.5 25.7,54.5 C55.2
Net-(U12-CPO): length 1.4
  Top w0.1: C55.1 24.45,54.75 U12.31
Net-(U12-VCC): length 22.1
  Top w0.1: 17.02,57.17 17.05,57.2 21.97,57.2 22.32,56.84 22.32,56.52 22.62,56.22 22.62,54.07 22.95,53.75 U12.29
  Top w0.15: 17.02,57.17 16.8,56.95 16.8,51.96 16.24,51.4 14.6,51.4 14,52 R40.2 ; C58.2 26.25,53.75 U12.29
Net-(U12-VCP): length 4.8
  Top w0.1: U12.34 24.24,56.25 25.59,54.9 27.1,54.9 C54.1
unconnected-(U1-PB10-Pad69): length 0.7
  Top w0.1: U1.69 v1(80.25,49.35)
unconnected-(U1-PB11-Pad70): length 0.7
  Top w0.1: U1.70 v1(79.75,47.9)

## Copper pours and planes (outline as drawn; the poured copper is in the pictures)
+3.3V on Bottom: 69.75,39 69.75,29.5 71.5,27.75 101.5,27.75 101.5,49.75 80.5,49.75
+3.3V on In2.Cu: 78,27.5 78,31.5 95.5,31.5 98,29 98,24.5 64.5,24.5 60.5,20.5 57.65,20.5 57.65,22.4 62.75,27.5
+5V on Top: 51.5,33 51.5,25.25 49,25.25 49,21.75 52.25,21.75 52.25,20.5 61.7,20.5 61.7,26.05 60.95,26.05 60.95,33
+5V on Top: 96.75,21.5 102.5,21.5 107.5,16.5 107.5,0 96.75,0
+5V on Top: 50,33 50,21.75 52.25,21.75 52.25,20.5 61.25,20.5 63.5,22.75 63.5,25.25 66,27.75 69,27.75 69,33
+5V on In2.Cu: 106.75,17.25 105,15.5 102.5,15.5 100.75,17.25
+5V on In2.Cu: 122.25,10.75 122.25,9.25 120.5,9.25 119,10.75
+5V on In2.Cu: 60.25,21.5 61,22.25 62,22.25 64,24.25 97.5,24.25 98.25,25 118.5,25 125.5,18 125.5,9.25 120.5,9.25 113,16.75 101,16.75 100.75,17 60.25,17
+12V on Top: 65.5,26.5 79.25,26.5 79.25,23.75 78.5,23 74,23 74,17.25 68.75,17.25 68,16.5 68,15.25 67.5,14.75 66.5,14.75 64.75,16.5 64,16.5 64,25
+12V on Top: 46.25,21.25 46.25,19.5 43.25,19.5 43.25,13.75 41.5,12 31,12 31,21.25
+12V on Top: 45.5,19.5 44.5,18.5 44.5,15.5 43.25,14.25 43.25,19.5
+12V on In2.Cu: 108,0 108,3.5 117.25,12.75 117.25,16.25 116.5,17 53.25,17 50,13.75 39.5,13.75 39.5,0
